# Altium PCB RUMBA_plus.PcbDoc (part 1 of 2) (continued)
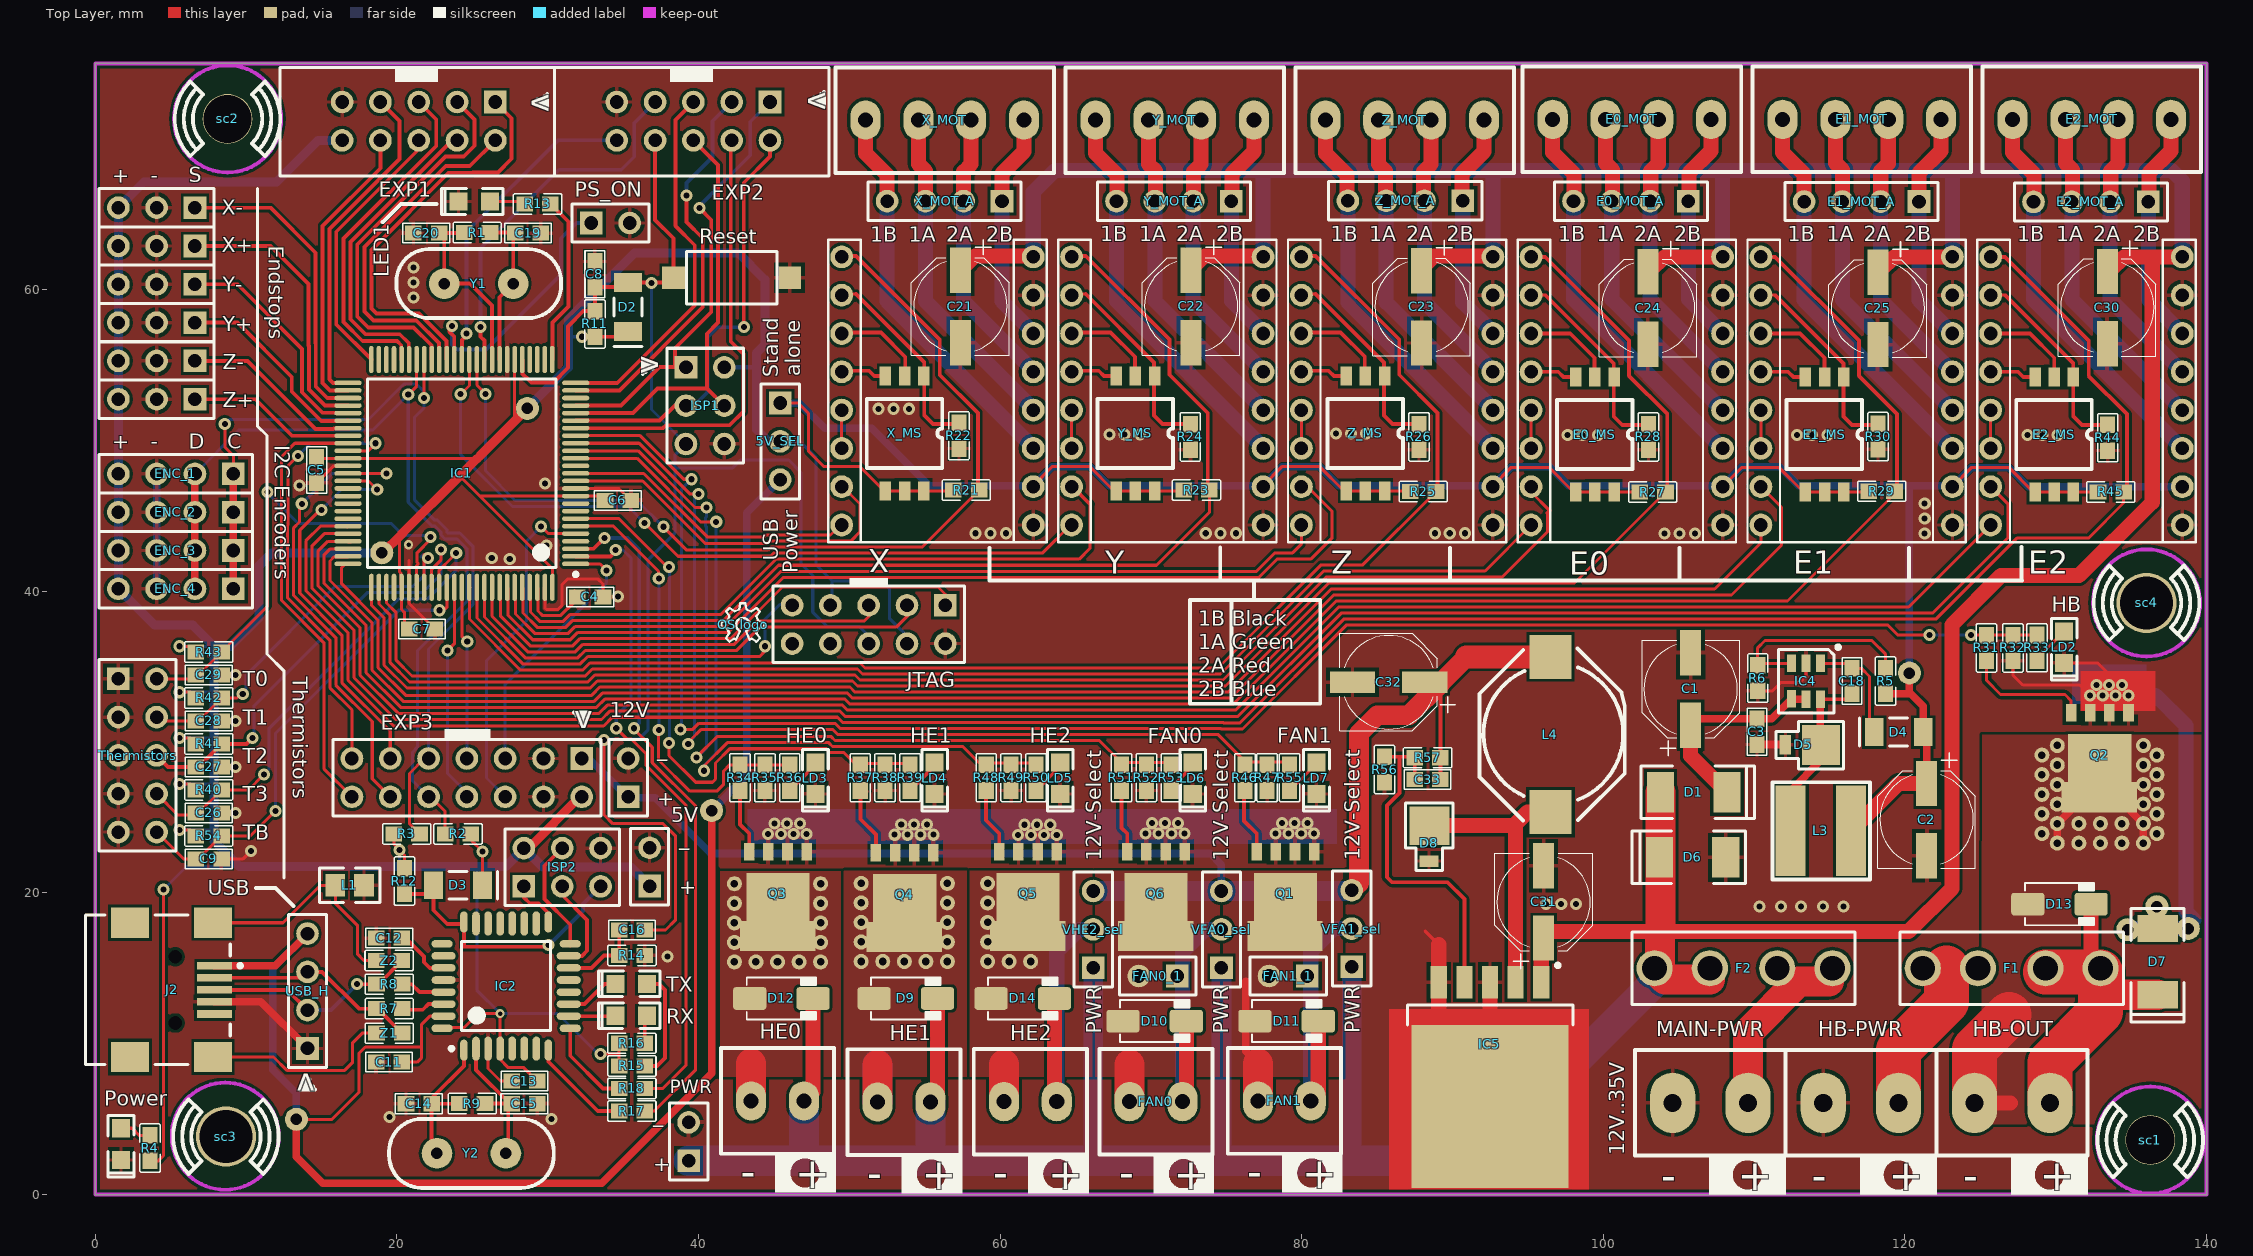
[diagram p0: Top Layer view]
## Footprints (in the part's own frame and the unit in brackets; to place one, negate y for a bottom-side part, rotate by r counter-clockwise, add the part's x,y. Pads: shape width x height; smd on the part's side, far side on the other; paste and mask are expansions set on the pad) (continued)
INDUCTOR_MSS6122D [mm]
  rect 6x2 smd: 1(0,0) 2(0,4)
  silkscreen extent -3.22,-1.2 3.22,5.25
"LED 0805" [mm]
  rect 1.2x1.2 smd: 1(0,0) 2(2.1,0)
  silkscreen extent -0.86,-0.85 3.22,0.85, body extent 0.18,-0.4 1.88,0.4, height 0.65
LFPACK [mm]
  rect 0.7x1.15 smd: 1(3.81,0) 3(0,0) 3(1.27,0) 3(2.54,0)
  rect 4.2x3.2 smd: 2(1.905,3)
  rect 5x2 smd: 2(1.93,5.588)
  body extent -0.58,-0.33 4.42,6.14, height 1.1
MBRM140 [mm]
  rect 0.762x1.27 smd: 1(2.351,-0.025)
  rect 2.54x2.67 smd: 2(0,0)
  silkscreen extent -1.5,-1.58 2.98,1.58
"OS LOGO TOP" [mm]
  silkscreen extent -1.45,-1.17 1.37,1.37
"RES 1608-0603" [mm]
  rect 1.1x1 smd: 1(-0.85,0) 2(0.85,0)
  silkscreen extent -1.6,-0.68 1.6,0.67, body extent -0.77,-0.38 0.82,0.43, height 0.4
"RES 2012-0805" [mm]
  rect 1.3x1.5 smd: 1(-0.95,0) 2(0.95,0)
  silkscreen extent -2,-1.15 2,1.15, body extent -1,-0.63 1,0.63, height 1.5
SOT23-6N [mm] "SOT23, 6-Leads, Body 3.0x3.0mm (max), Pitch 0.95mm, IPC Medium Density"
  rect 1.15x0.6 smd: 1(-1.175,0.95) 2(-1.175,0) 3(-1.175,-0.95) 4(1.175,-0.95) 5(1.2,0) 6(1.2,0.95)
  silkscreen extent -2.37,-1.82 2.1,2.25, body extent -0.85,-1.5 0.85,1.5, height 1.45
"SRAF 3MM - RUPA 3.2" [mm]
  round 3.3 hole 3.2: 0(0,0)
  silkscreen extent -3.5,-3.5 3.5,3.5
"Sraf 3mm - rupa 3.5" [mm]
  round 4 hole 3.5: 0(0,0)
  silkscreen extent -3.5,-3.5 3.5,3.5
"SRAF 3MM - RUPA 3.5" [mm]
  round 4 hole 3.5: 0(0,0)
  silkscreen extent -3.5,-3.5 3.5,3.5
"SW-PB SMD 2PIN" [mm]
  rect 1.5x1.5 smd: 1(-3.85,0) 2(3.85,0)
  silkscreen extent -3,-1.75 3,1.75
"TERM2 3.5MM" [mm]
  oval 2x2.6 hole 1: 1(0,0) 2(3.5,0)
  silkscreen extent -2,-3.5 5.5,3.5, body extent -1.85,-3.8 5.26,3.49, height 8.51
"TERM2 5MM" [mm]
  oval 3x4 hole 1.2: 1(0,0) 2(5,0)
  silkscreen extent -2.5,-3.5 7.5,3.5, body extent -2.54,-4.9 7.47,5, height 14.6
"TERM4 3.5MM" [mm]
  oval 2x2.6 hole 1: 1(0,0) 2(3.5,0) 3(7,0) 4(10.5,0)
  silkscreen extent -2,-3.5 12.5,3.5, body extent -1.73,-3.81 12.24,3.48, height 8.51
TO-263 [mm] "D2-PAK, 6-Pads, Body 10.4x8.9mm (max), IPC Medium Density"
  rect 2.16x1.07 smd: 1(-5.582,3.4) 2(-5.582,1.7) 3(-5.582,0) 4(-5.582,-1.7) 5(-5.582,-3.4)
  rect 10.8x10.41 smd: 6(2.65,0)
  silkscreen extent -6.82,-5.47 -2.75,5.52, body extent -2.87,-5.33 8.18,5.31, height 4.65
TQFP32N [mm] "TQFP, 32-Leads, Body 9.0x9.0mm (max), Pitch 0.80mm, IPC Medium Density"
  oval 1.4x0.5 smd: 1(-4.25,2.8) 8(-4.25,-2.8) 17(4.25,-2.8) 24(4.25,2.8)
  oval 1.6x0.5 smd: 2(-4.15,2) 3(-4.15,1.2) 4(-4.15,0.4) 5(-4.15,-0.4) 6(-4.15,-1.2) 7(-4.15,-2) 18(4.15,-2) 19(4.15,-1.2) 20(4.15,-0.4) 21(4.15,0.4) 22(4.15,1.2) 23(4.15,2)
  oval 0.5x1.4 smd: 9(-2.8,-4.25) 16(2.8,-4.25) 25(2.8,4.25) 32(-2.8,4.25)
  oval 0.5x1.6 smd: 10(-2,-4.15) 11(-1.2,-4.15) 12(-0.4,-4.15) 13(0.4,-4.15) 14(1.2,-4.15) 15(2,-4.15) 26(2,4.15) 27(1.2,4.15) 28(0.4,4.15) 29(-0.4,4.15) 30(-1.2,4.15) 31(-2,4.15)
  silkscreen extent -4.27,-2.95 2.95,3.75, body extent -3.5,-3.5 3.5,3.5, height 1.2
TQFP100N [mm] "TQFP, 100-Leads, Body 16.3x16.3mm (max), Pitch 0.50mm, IPC Medium Density"
  oval 1.8x0.3 smd: 1(-7.55,6) 2(-7.55,5.5) 3(-7.55,5) 4(-7.55,4.5) 5(-7.55,4) 6(-7.55,3.5) 7(-7.55,3) 8(-7.55,2.5) 9(-7.55,2) 10(-7.55,1.5) 11(-7.55,1) 12(-7.55,0.5) 13(-7.55,0) 14(-7.55,-0.5) 15(-7.55,-1) 16(-7.55,-1.5) 17(-7.55,-2) 18(-7.55,-2.5) 19(-7.55,-3) 20(-7.55,-3.5) 21(-7.55,-4) 22(-7.55,-4.5) 23(-7.55,-5) 24(-7.55,-5.5) 25(-7.55,-6) 51(7.55,-6) 52(7.55,-5.5) 53(7.55,-5) 54(7.55,-4.5) 55(7.55,-4) 56(7.55,-3.5) 57(7.55,-3) 58(7.55,-2.5) 59(7.55,-2) 60(7.55,-1.5) 61(7.55,-1) 62(7.55,-0.5) 63(7.55,0) 64(7.55,0.5) 65(7.55,1) 66(7.55,1.5) 67(7.55,2) 68(7.55,2.5) 69(7.55,3) 70(7.55,3.5) 71(7.55,4) 72(7.55,4.5) 73(7.55,5) 74(7.55,5.5) 75(7.55,6)
  oval 0.3x1.8 smd: 26(-6,-7.55) 27(-5.5,-7.55) 28(-5,-7.55) 29(-4.5,-7.55) 30(-4,-7.55) 31(-3.5,-7.55) 32(-3,-7.55) 33(-2.5,-7.55) 34(-2,-7.55) 35(-1.5,-7.55) 36(-1,-7.55) 37(-0.5,-7.55) 38(0,-7.55) 39(0.5,-7.55) 40(1,-7.55) 41(1.5,-7.55) 42(2,-7.55) 43(2.5,-7.55) 44(3,-7.55) 45(3.5,-7.55) 46(4,-7.55) 47(4.5,-7.55) 48(5,-7.55) 49(5.5,-7.55) 50(6,-7.55) 76(6,7.55) 77(5.5,7.55) 78(5,7.55) 79(4.5,7.55) 80(4,7.55) 81(3.5,7.55) 82(3,7.55) 83(2.5,7.55) 84(2,7.55) 85(1.5,7.55) 86(1,7.55) 87(0.5,7.55) 88(0,7.55) 89(-0.5,7.55) 90(-1,7.55) 91(-1.5,7.55) 92(-2,7.55) 93(-2.5,7.55) 94(-3,7.55) 95(-3.5,7.55) 96(-4,7.55) 97(-4.5,7.55) 98(-5,7.55) 99(-5.5,7.55) 100(-6,7.55)
  silkscreen extent -7.68,-6.25 6.25,6.82, body extent -7,-7 7,7, height 1.2
USB_MINI/SM0.8-6H5 [mm] "Connector; USB2.0, Type B, SM; 5 Position; Right Angle"
  rect 2.5x2 smd: 0(-7.75,-4.45) 0(-7.75,4.45) 0(-2.25,4.45) 0(-2.25,-4.45)
  rect 2.3x0.5 smd: 1(-7.85,-1.6) 2(-7.85,-0.8) 3(-7.85,0) 4(-7.85,0.8) 5(-7.85,1.6)
  round 0.6 hole 0.9 unplated: MH1(-5.25,2.2) MH2(-5.25,-2.2)
  silkscreen extent -9.68,-4.95 0.7,4.95, body extent -8.74,-4.95 0.66,4.95, height 3.9
X-TAL [mil]
  round 80 hole 30: 1(180,0) 2(0,0)
  silkscreen extent -125,-90 305,90

## Part data
5V 12V FAN0_1 FAN1_1 PS_ON PWR: "Header, 2-Pin"
5V_SEL VFA0_sel VFA1_sel VHE2_sel X+ X- Y+ Y- Z+ Z-: "Header, 3-Pin"
C1 C2 C21 C22 C23 C24 C25 C30 C31 C32: "Polarized Capacitor (Surface Mount)"
C3 C4 C5 C6 C7 C8 C11 C13 C14 C15 C16 C18 C19 C20 C33: "Capacitor (Semiconductor SIM Model)"
C9 C12 C26 C27 C28 C29: library part CAPC_1u_0603_X7R_16V_10%, "Capacitor SMD Cer 1uF 10% 16V X7R 0603"
D1 D6 D7: library part Diode, "Default Diode"
D2 D3 D4: library part Diode100V150mA, "Default Diode"
D5 D8: "Default Diode"
D9 D10 D11 D12 D13 D14: library part DIODE_100V_1.5A_SMA, "Diode SMD 100V 1.5A SMA"
E0_MOT E1_MOT E2_MOT X_MOT Y_MOT Z_MOT: "Screw Terminal 3.5mm 4-Way"
E0_MOT_A E1_MOT_A E2_MOT_A X_MOT_A Y_MOT_A Z_MOT_A: library part "Header 4_1", "Header, 4-Pin"
E0_MS E1_MS E2_MS X_MS Y_MS Z_MS: "DIP Switch"
ENC_1 ENC_2 ENC_3 ENC_4 USB_H: "Header, 4-Pin"
EXP1 EXP2 JTAG Thermistors: "Header, 5-Pin, Dual row"
EXP3: "Header, 7-Pin, Dual row"
FAN0 FAN1 HE0 HE1 HE2: library part ScrewTerminal-3.5mm-2Way
HB-OUT HB-PWR MAIN-PWR: library part ScrewTerminal-5mm-2Way
IC1: "The high-performance, low-power Atmel 8-bit AVR RISC-based microcontroller"
IC2: library part ATMEGA16U2-MU, "High Performance, Low Power USB2.0 AVR® 8-Bit Microcontroller"
IC4: "600mA, 500kHz Step-Down  Switching Regulator in  SOT-23"
IC5: "3.0 A, Step-Down Switching  Regulator"
ISP1 ISP2: "Header, 3-Pin, Dual row"
L1 L3 L4: "MagneticCore Inductor with Winding Polarity Marking"
LD2 LD3 LD4 LD5 LD6 LD7 Power: library part "LEDG  0805", "Hyper-Bright Low Current LED OSRAM"
LED1 RX TX: library part "LEDY  0805", "Hyper-Bright Low Current LED OSRAM"
Q1 Q2 Q3 Q4 Q5 Q6: library part PSMN7R0-60YS
R1 R2 R3 R4 R5 R6 R7 R8 R9 R11 R12 R13 R14 R15 R16 R17 R18 R21 R22 R23 R24 R25 R26 R27 R28 R29 R30 R31 R32 R33 R34 R35 R36 R37 R38 R39 R40 R41 R42 R43 R44 R45 R46 R47 R48 R49 R50 R51 R52 R53 R54 R55 R56 R57: "Resistor"
Reset: library part SW-PB
Y1 Y2: library part XTAL, "Crystal Oscillator"
Z1 Z2: "VARISTOR_CN0603 (VARISTOR)"

## Free pads (board coordinates)
  round 1.524 hole 0.762: 0(13.339,4.986) 1(40.872,25.458) 2(28.655,52.128) 3(19.003,42.553) 5(138.789,17.635) 6(134.776,17.559) 8(136.707,19.083) 9(120.298,34.577)
  round 1 hole 0.5: 2(42.384,15.425) 2(42.384,16.721) 2(42.384,18.016) 2(42.384,19.312) 2(42.384,20.607) 2(43.812,15.425) 2(45.241,15.425) 2(46.67,15.425) 2(48.099,15.425) 2(48.099,16.721) 2(48.099,18.016) 2(48.099,19.312) 2(48.099,20.607) 2(50.791,15.451) 2(50.791,16.746) 2(50.791,18.042) 2(50.791,19.337) 2(50.791,20.632) 2(52.22,15.451) 2(53.649,15.451) 2(55.077,15.451) 2(56.506,15.451) 2(56.506,16.746) 2(56.506,18.042) 2(56.506,19.337) 2(56.506,20.632) 2(59.173,15.451) 2(59.173,16.746) 2(59.173,18.042) 2(59.173,19.337) 2(59.173,20.632) 2(60.602,15.451) 2(62.031,15.451) 2(129.087,23.934) 2(129.087,25.236) 2(129.087,26.538) 2(129.087,27.84) 2(129.087,29.141) 2(130.103,23.299) 2(130.103,24.595) 2(130.103,25.89) 2(130.103,27.186) 2(130.103,28.481) 2(130.103,29.776) 2(131.531,23.299) 2(131.531,24.595) 2(132.96,23.299) 2(132.96,24.595) 2(134.389,23.299) 2(134.389,24.595) 2(135.818,23.299) 2(135.818,24.595) 2(135.818,25.89) 2(135.818,27.186) 2(135.818,28.481) 2(135.818,29.776) 2(136.707,23.934) 2(136.707,25.236) 2(136.707,26.538) 2(136.707,27.84) 2(136.707,29.141)

## Via types
v1: diameter 0.8, hole 0.4, Top Layer to Bottom Layer, tented both sides, 166 vias
v2: diameter 0.6, hole 0.3, Top Layer to Bottom Layer, 2 vias

## Nets (pads, with @x,y where several pads share a name; then routed paths per layer and width w, separated by ;. In a path a pad name is that pad's centre, name@x,y a point inside that pad or via, vN(x,y) a via of type N, cw(c..) or ccw(c..) an arc to the next point about the centre after c; other vN are vias at no path point)
5V_DCDC: 5V_SEL.1 C2.1 D4.1 E0.10 E0_MS.4 E0_MS.5 E0_MS.6 E1.10 E1_MS.4 E1_MS.5 E1_MS.6 E2.10 E2_MS.4 E2_MS.5 E2_MS.6 L3.2 pad.9 R5.2 R21.1 R23.1 R25.1 R27.1 R29.1 R45.1 X.10 X_MS.4 X_MS.5 X_MS.6 Y.10 Y_MS.4 Y_MS.5 Y_MS.6 Z.10 Z_MS.4 Z_MS.5 Z_MS.6 | length 199.5
  Top Layer w0.2: 5V_SEL.1@45.419,52.484 46.613,52.484 47.299,51.798 47.299,49.284 48.297,48.285 50.685,48.285 52.318,46.652 R21.1@56.832,46.652 ; X.10@62.199,47.005 63.48,48.285 65.925,48.285 67.558,46.652 R23.1@72.072,46.652 ; Y.10@77.439,47.005 78.72,48.285 81.165,48.285 82.798,46.652 R25.1@87.312,46.652 ; Z.10@92.679,47.005 93.891,48.217 96.397,48.217 98.03,46.584 R27.1@102.544,46.584 ; E0.10@107.911,46.936 109.191,48.217 111.637,48.217 113.27,46.584 R29.1@117.784,46.584 ; E1.10@123.151,46.936 124.431,48.217 126.877,48.217 128.51,46.584 E2_MS.5@129.898,46.584 R45.1@133.024,46.584
  Top Layer w0.5: R5.2@118.723,33.194 120.298,33.194 ; pad.9@120.298,34.577 120.298,33.194 ; D4.1@120.933,30.665 121.441,30.157 C2.1@121.441,27.261 ; D4.1@121.212,30.665 121.212,32.368 120.386,33.194 120.298,33.194
  Top Layer w1: L3.2@116.424,24.112 119.573,27.261 C2.1@121.441,27.261
  Bottom Layer w0.5: 5V_SEL.1@45.419,52.484 46.689,52.484 48.365,50.808 51.49,50.808 55.293,47.005 62.199,47.005 63.462,48.268 65.968,48.268 67.231,47.005 77.439,47.005 78.702,48.268 81.208,48.268 82.471,47.005 92.679,47.005 93.942,48.268 96.448,48.268 97.711,47.005 107.919,47.005 109.182,48.268 111.688,48.268 112.951,47.005 120.425,47.005 ; pad.9@120.298,34.577 120.298,46.878 120.425,47.005 ; E1.10@123.151,46.936 124.414,48.199 126.919,48.199 128.182,46.936 E2.10@138.391,46.936 ; E1.10@123.159,47.005 120.425,47.005
+5V: 5V.1 5V_SEL.2 C5.2 C6.2 C7.2 C13.2 D2.2 D3.2 ENC_1.4 ENC_2.4 ENC_3.4 ENC_4.4 EXP1.10 EXP3.2 IC1.10 IC1.31 IC1.61 IC1.80 IC1.100 IC2.4 IC2.32 ISP1.2 ISP2.2 JTAG.4 JTAG.7 pad.2@28.655,52.128 pad.3 R2.2 R3.2 R4.2 R11.2 R12.2 R15.1 R16.1 R40.1 R41.1 R42.1 R43.1 R54.1 X+.3 X-.3 Y+.3 Y-.3 Z+.3 Z-.3 | length 311.7
  Top Layer w0.2: R4.2@3.636,2.231 4.183,2.231 4.525,2.573 v1(4.525,20.226) ; v1(5.589,24.163) 6.295,24.163 R54.1@6.676,23.782 ; v1(5.589,27.211) 6.295,27.211 R40.1@6.676,26.83 ; v1(5.589,30.259) 6.295,30.259 R41.1@6.676,29.878 ; v1(5.589,33.307) 6.295,33.307 R42.1@6.676,32.926 ; v1(5.589,36.355) 6.295,36.355 R43.1@6.676,35.974 ; C5.2@14.71,48.762 14.765,48.817 IC1.61@16.76,48.817 25.344,48.817 ; R3.2@19.804,23.909 19.804,23.21 v1(20.172,22.842) 20.502,22.512 R12.2@20.502,21.635 ; IC1.80@20.31,39.962 20.31,38.788 20.52,38.578 20.52,37.798 C7.2@20.82,37.498 ; IC1.80@20.31,40.267 20.26,40.317 20.26,41.203 20.181,41.282 20.181,43.335 20.31,43.464 20.31,43.783 ; IC2.32@22.998,10.897 23.184,11.082 24.464,11.082 25.382,12 v2(26.848,12) IC2.4@26.848,9.674 26.848,8.952 27.385,8.415 28.417,8.415 C13.2@29.306,7.526 ; 24.172,47.645 25.5,46.317 ; R2.2@24.908,23.909 24.908,23.516 v1(25.683,22.741) D3.2@25.683,20.505 ; IC1.31@27.81,55.367 27.81,51.5 27.918,51.392 ; IC1.100@30.31,40.267 30.31,41.507 25.5,46.317 ; v1@32.186,56.879 R11.2@33.132,56.879 34.986,56.879 D2.2@35.324,57.217 ; v1(33.506,9.304) 34.657,9.304 34.734,9.228 ; C6.2@33.799,46.032 33.515,46.317 IC1.10@31.86,46.317 25.5,46.317 ; R15.1@34.734,8.531 34.734,9.228 ; R16.1@34.734,10.031 34.734,9.228
  Top Layer w0.6: pad.3@18.978,42.476 pad.3@19.003,42.476 ; pad.3@19.041,42.515 20.31,43.783 ; 20.4,43.873 24.172,47.645 25.344,48.817 ; 25.498,48.972 27.918,51.392 pad.2@28.655,52.128 ; ISP2.2@28.426,22.969 28.731,22.969 EXP3.2@32.198,26.436 ; 5V.1@36.758,20.455 5V.1@36.758,20.495
  Bottom Layer w0.2: v1(4.525,20.226) 6.049,21.75 9.558,21.75 ; v1(5.589,24.163) 7.862,24.163 ; v1(5.589,27.211) 7.862,27.211 ; v1(5.589,30.259) 7.862,30.259 ; v1(5.589,33.307) 7.735,33.307 ; v1(5.589,36.355) 7.862,36.355 ; 20.172,21.75 v1(20.172,22.842) ; 25.353,21.75 25.302,21.699 25.302,13.546 v2(26.848,12) 30.658,12 33.43,9.228 v1(33.506,9.304) ; 25.658,21.75 25.683,21.775 v1(25.683,22.741) ; 31.424,56.879 v1(32.287,56.879) ; 43.743,54.846 43.844,54.948 ; 5V_SEL.2@45.419,49.944 46.714,49.944 47.807,48.852 47.807,41.74 48.848,40.698 ; JTAG.7@49.254,39.073 48.848,39.479 48.848,40.698 ; JTAG.4@54.334,36.533 52.658,38.209 52.658,40.19 52.15,40.698 48.848,40.698
  Bottom Layer w0.3: ISP1.2@41.711,54.846 43.743,54.846
  Bottom Layer w0.6: EXP1.10@16.371,69.904 14.782,69.904 12.004,67.126 3.22,67.126 X-.3@1.532,65.438 X+.3@1.532,62.898 Y-.3@1.532,60.358 Y+.3@1.532,57.818 Z-.3@1.532,55.278 Z+.3@1.532,52.738 1.532,40.165 3.945,37.752 6.465,37.752 7.862,36.355 ; pad.3@19.003,42.553 11.705,42.553 10.862,41.71 10.862,38.26 8.957,36.355 7.862,36.355 ; pad.2@28.655,52.128 31.373,54.846 31.373,58.047 35.767,62.441 42.625,62.441 44.403,60.663 44.403,56.345 43.844,55.786 43.844,54.948 43.844,50.731 44.632,49.944 5V_SEL.2@45.419,49.944 ; 5V.1@36.758,20.455 35.493,21.719 29.676,21.719 ISP2.2@28.426,22.969 27.207,21.75 25.658,21.75 25.353,21.75 20.171,21.75 9.558,21.75 7.862,23.446 7.862,24.163 7.862,27.211 7.862,30.259 7.862,36.355
+12V: 12V.1 C32.1 C33.1 EXP3.1 L4.2 R57.2 VFA0_sel.3 VFA1_sel.3 VHE2_sel.3 | length 95.9
  Top Layer w0.254: C33.1@89.196,27.516 R57.2@89.196,28.964 C32.1@89.196,33.853
  Top Layer w1.3: VFA1_sel.3@83.316,20.175 83.798,20.658 83.798,30.564 85.018,31.783 87.126,31.783 C32.1@89.196,33.853 ; C32.1@89.196,33.929 90.913,35.647
  Top Layer w1.5: 90.913,35.647 L4.2@96.498,35.647
  Bottom Layer w0.5: EXP3.1@32.262,28.913 32.719,28.913 35.335,26.297 37.139,26.297 40.822,22.614 73.943,22.614 74.68,21.877 VFA0_sel.3@74.68,20.124
  Bottom Layer w1.3: VHE2_sel.3@66.171,20.124 VFA0_sel.3@74.68,20.124 VFA1_sel.3@83.265,20.124
A9: EXP3.7 IC1.88 | length 12.2
  Top Layer w0.2: 24.31,37.5 24.31,38.006 ; IC1.88@24.31,40.267 24.31,38.006 ; v1@24.667,36.736 v1(24.667,36.66) 24.31,37.017 24.31,38.006
  Bottom Layer w0.2: EXP3.7@24.642,28.913 24.642,36.711 24.667,36.736 v1(24.667,36.66)
A10: EXP3.8 IC1.87 | length 14.6
  Top Layer w0.2: v1(23.372,36.076) 23.81,36.514 IC1.87@23.81,40.267
  Bottom Layer w0.2: v1(23.372,36.076) 23.372,27.922 24.642,26.652 EXP3.8@24.642,26.373
AREF: C4.2 IC1.98 | length 5.3
  Top Layer w0.2: IC1.98@29.31,40.267 29.36,40.217 29.36,38.698 29.671,38.387 30.843,38.387 31.304,38.848 31.326,38.848 31.793,39.315 C4.2@31.793,40.038
BEEPER: EXP1.1 IC1.40 | length 27
  Top Layer w0.254: IC1.40@23.31,55.367 23.287,55.39 23.287,56.599 21.476,58.41 18.647,58.41 18.314,58.743 18.314,62.641 23.426,67.753 25.021,67.753 25.044,67.775 26.699,67.775 27.608,68.683 27.608,71.367 EXP1.1@26.531,72.444
BTN_EN1: EXP2.5 IC1.25 | length 24.5
  Top Layer w0.254: IC1.25@31.86,53.817 34.611,53.817 39.755,58.961 39.755,62.949 38.469,64.235 38.469,71.25 EXP2.5@39.663,72.444
BTN_EN2: EXP2.3 IC1.24 | length 26
  Top Layer w0.254: IC1.24@31.86,53.317 34.753,53.317 40.288,58.852 40.288,63.406 39.196,64.498 v1(39.196,66.251)
  Bottom Layer w0.254: v1(39.196,66.251) 39.196,67.064 40.923,68.791 40.923,71.165 EXP2.3@42.203,72.444
BTN_ENC: EXP1.2 IC1.41 | length 22.8
  Top Layer w0.254: IC1.41@22.81,55.367 22.787,55.39 22.787,56.457 21.288,57.956 18.459,57.956 17.86,58.555 17.86,62.829 23.238,68.207 24.833,68.207 EXP1.2@26.531,69.904
DTR: C16.2 IC2.14 R14.1 | length 5.4
  Top Layer w0.254: IC2.14@31.398,15.024 32.901,15.024 33.735,15.857 R14.1@34.739,15.857 34.75,15.868 C16.2@34.75,17.546
E0-DIR: E0.8 IC1.78 | length 85.2
  Top Layer w0.2: IC1.78@19.31,40.216 19.31,39.223 19.954,38.579 19.954,35.43 20.997,34.387 32.5,34.387 32.961,34.848 50.545,34.848 50.88,34.513 74.623,34.513 81.462,41.352 92.167,41.352 E0.8@95.211,44.396
E0-EN: E0.1 IC1.76 R27.2 | length 116.7
  Top Layer w0.2: IC1.76@18.31,40.216 18.31,39.091 19.154,38.247 19.154,35.099 20.666,33.587 32.831,33.587 33.292,34.048 50.213,34.048 50.548,33.713 74.954,33.713 81.793,40.552 98.094,40.552 R27.2@104.122,46.581
  Top Layer w0.254: E0.1@95.211,62.176 96.153,62.176 101.705,56.624 101.705,54.287 104.245,51.747 104.245,46.809 R27.2@104.022,46.585
E0-STEP: E0.7 IC1.77 | length 90.5
  Top Layer w0.2: IC1.77@18.81,40.216 18.812,40.214 18.812,39.155 19.554,38.413 19.554,35.264 20.831,33.987 32.666,33.987 33.127,34.448 50.379,34.448 50.714,34.113 74.788,34.113 81.627,40.952 93.296,40.952 96.293,43.948 96.293,45.192 ; E0.7@95.211,46.583 96.448,45.347
  Top Layer w0.254: E0.7@95.211,46.583 E0.7@95.211,46.936 ; 96.293,45.192 96.448,45.347
E1-DIR: E1.8 IC1.75 | length 106.3
  Top Layer w0.2: IC1.75@16.76,41.817 16.578,41.817 16.342,41.581 16.342,40.493 18.754,38.081 18.754,34.933 20.583,33.104 32.914,33.104 33.458,33.648 50.048,33.648 50.383,33.313 75.12,33.313 81.959,40.152 107.382,40.152 110.451,43.221 E1.8@110.451,44.396
E1-EN: E1.1 IC1.73 R29.2 | length 139.3
  Top Layer w0.2: IC1.73@16.76,42.817 15.584,42.817 15.16,42.393 15.16,40.544 17.954,37.75 17.954,34.602 20.252,32.304 33.245,32.304 33.789,32.848 49.716,32.848 50.051,32.513 75.451,32.513 82.29,39.352 112.219,39.352 R29.2@119.312,46.445
  Top Layer w0.254: E1.1@110.451,62.176 111.393,62.176 116.945,56.624 116.945,54.287 119.485,51.747 119.485,46.809 R29.2@119.262,46.585 ; R29.2@119.312,46.445 R29.2@119.312,46.631
E1-STEP: E1.7 IC1.74 | length 113.1
  Top Layer w0.2: IC1.74@16.76,42.317 16.76,42.267 15.824,42.267 15.56,42.003 15.56,40.71 18.354,37.916 18.354,34.767 20.417,32.704 33.08,32.704 33.624,33.248 49.882,33.248 50.217,32.913 75.285,32.913 82.124,39.752 108.506,39.752 111.815,43.061 111.815,45.572 E1.7@110.451,46.936
E2-DIR: E2.8 IC1.72 | length 127.6
  Top Layer w0.2: IC1.72@16.76,43.267 IC1.72@16.946,43.267 ; IC1.72@16.76,43.317 15.424,43.317 14.76,42.653 14.76,40.378 17.554,37.584 17.554,34.436 20.086,31.904 33.411,31.904 33.955,32.448 49.551,32.448 49.886,32.113 75.617,32.113 82.456,38.952 120.247,38.952 123.089,41.794 ; 122.298,41.003 123.089,41.794 ; E2.8@125.691,44.396 123.089,41.794
E2-EN: E2.1 IC1.70 R45.2 | length 159.8
  Top Layer w0.2: IC1.70@16.71,44.267 IC1.70@16.76,44.317 14.93,44.317 13.96,43.347 13.96,40.047 16.754,37.253 16.754,34.105 19.787,31.072 33.71,31.072 34.286,31.648 49.219,31.648 49.554,31.313 74.769,31.313 74.807,31.275 75.91,31.275 82.787,38.152 122.044,38.152 127.417,43.524 132.167,43.524 134.502,45.86 R45.2@134.502,46.585
  Top Layer w0.254: E2.1@125.691,62.176 126.633,62.176 132.185,56.624 132.185,54.287 134.725,51.747 134.725,46.809 R45.2@134.502,46.585
E2-STEP: E2.7 IC1.71 | length 132.6
  Top Layer w0.2: IC1.71@16.76,43.817 15.187,43.817 14.36,42.99 14.36,40.213 17.154,37.419 17.154,34.27 19.92,31.504 33.577,31.504 34.121,32.048 49.385,32.048 49.72,31.713 75.782,31.713 82.621,38.552 121.835,38.552 126.851,43.569 126.851,45.776 E2.7@125.691,46.936
FAN_0: IC1.17 R46.1 R47.1 R55.2 | length 67.7
  Top Layer w0.2: IC1.17@31.86,49.817 36.065,49.817 39.418,46.464 v1(40.009,46.464) ; v1(39.323,29.878) 39.425,29.878 39.475,29.929 39.475,30.132 40.191,30.848 48.888,30.848 49.223,30.513 74.438,30.513 76.255,28.696 R55.2@79.201,28.696
  Bottom Layer w0.2: v1(39.323,29.878) 39.323,29.954 39.729,30.361 39.729,46.185 v1(40.009,46.464)
FAN_1: IC1.16 R51.1 R52.1 R53.2 | length 60.2
  Top Layer w0.2: IC1.16@31.86,49.317 35.999,49.317 39.766,45.55 v1(40.542,45.55) ; v1(39.856,28.989) 41.226,30.359 48.811,30.359 49.057,30.113 66.583,30.113 68.05,28.645 R53.2@71.352,28.645
  Bottom Layer w0.2: v1(39.856,28.989) 39.907,28.989 40.542,29.624 40.542,44.255 40.477,44.32 40.477,44.9 40.542,44.965 40.542,45.194 40.364,45.372 v1(40.542,45.55) v1@40.466,45.55
GND: 5V.2 12V.2 C1.2 C2.2 C3.1 C4.1 C5.1 C6.1 C7.1 C8.1 C9.2 C11.1 C12.2 C13.1 C14.1 C15.1 C19.1 C20.1 C21.2 C22.2 C23.2 C24.2 C25.2 C26.2 C27.2 C28.2 C29.2 C30.2 C31.2 C32.2 D5.1 D6.1 D7.1 D8.1 E0.9 E0.15 E1.9 E1.15 E2.9 E2.15 ENC_1.3 ENC_2.3 ENC_3.3 ENC_4.3 EXP1.9 EXP2.9 EXP3.3 EXP3.4 HB-PWR.1 IC1.11 IC1.32 IC1.62 IC1.81 IC1.99 IC2.3 IC2.28 IC4.2 IC5.3 IC5.5 IC5.6 ISP1.6 ISP2.6 J2.4 JTAG.2 JTAG.10 L1.2 LD2.2 LD3.2 LD4.2 LD5.2 LD6.2 LD7.2 LED1.2 MAIN-PWR.1 pad.5 pad.6 pad.8 Power.2 PS_ON.2 PWR.2 Q1.3 Q2.3 Q3.3 Q4.3 Q5.3 Q6.3 R6.1 R14.2 R22.2 R24.2 R26.2 R28.2 R30.2 R32.2 R35.2 R38.2 R44.2 R47.2 R49.2 R52.2 R56.2 Reset.1 Thermistors.1 Thermistors.3 Thermistors.5 Thermistors.7 Thermistors.9 USB_H.1 X+.2 X-.2 X.9 X.15 Y+.2 Y-.2 Y.9 Y.15 Z+.2 Z-.2 Z.9 Z.15 | length 102.5
  Top Layer w0.2: C9.2@8.122,22.258 9.812,22.258 v1(10.32,22.766) ; C26.2@8.122,25.306 v1(9.304,25.306) ; C27.2@8.122,28.354 v1(9.304,28.354) ; C28.2@8.122,31.402 v1(9.304,31.402) ; C29.2@8.122,34.45 v1(9.304,34.45) ; C5.1@14.685,47.189 15.813,48.317 IC1.62@16.76,48.317 ; 20.81,42.041 IC1.81@20.81,40.267 20.81,39.208 C7.1@22.52,37.498 ; IC2.3@26.048,10.26 IC2.3@26.048,9.674 26.048,8.355 26.877,7.526 C13.1@27.606,7.526 ; IC1.99@29.81,40.267 29.81,38.902 29.925,38.787 30.677,38.787 30.941,39.051 30.941,40.419 31.322,40.8 33.354,40.8 33.671,40.483 C4.1@33.671,39.632 ; IC1.11@31.86,46.817 31.86,46.832 34.699,46.832 C6.1@35.499,46.032 ; v1(62.048,23.833) v1(62.903,23.833) ; 88.193,17.463 89.086,16.57 ; R6.1@110.24,33.397 111.219,33.397 111.789,33.967 113.034,33.967 113.44,34.374 IC4.2@113.44,35.219 ; D5.1@112.066,29.841 D5.1@112.08,29.827 ; R32.2@127.156,35.392 127.156,34.45 127.817,33.79 131.576,33.79 v1(132.262,33.104) ; LD2.2@130.56,35.246 132.787,35.246 133.532,34.501 v1(133.532,33.79)
  Top Layer w0.5: J2.4@7.902,12.771 10.989,12.771 USB_H.1@14.075,9.685 ; C3.1@110.189,29.841 D5.1@112.066,29.841
  Top Layer w1: IC5.6@89.086,10.32 89.086,16.57 ; IC5.6@92.486,5.841 IC5.3@92.486,14.074
  Bottom Layer w0.5: ENC_4.3@4.072,40.165 ENC_3.3@4.072,42.705 ENC_2.3@4.072,45.245 ENC_1.3@4.072,47.785
  Bottom Layer w1: pad.6@134.776,17.559 134.852,17.635 136.605,17.635 ; v1(134.827,33.104) 136.63,33.104 138.637,31.097 138.637,18.73 pad.5@139.173,18.194 ; pad.8@136.707,19.083 136.605,18.981 136.605,17.635 ; pad.5@138.789,17.635 136.605,17.635
  other v1: 30.255,5.011 19.511,5.138 37.951,15.781 110.367,19.108 111.789,19.108 113.11,19.108 114.558,19.108 115.929,19.108 96.194,19.261 97.21,19.261 98.2,19.261 61.192,23.833 63.758,23.833 53.014,23.858 53.869,23.858 54.724,23.858 55.579,23.858 44.606,23.909 45.461,23.909 46.316,23.909 47.172,23.909 69.651,23.934 70.506,23.934 71.361,23.934 72.216,23.934 78.261,23.934 79.116,23.934 79.971,23.934 80.827,23.934 61.624,24.519 62.462,24.519 63.326,24.519 53.445,24.544 54.284,24.544 55.147,24.544 45.038,24.595 45.876,24.595 46.74,24.595 70.082,24.62 70.921,24.62 71.784,24.62 78.693,24.62 79.531,24.62 80.395,24.62 133.117,33.104 133.972,33.104 132.693,33.79 134.387,33.79 34.675,39.657 27.487,42.146 26.293,42.197 29.925,43.035 104.068,43.823 105.058,43.823 106.074,43.823 121.314,43.823 58.373,43.848 59.364,43.848 60.38,43.848 73.638,43.848 74.629,43.848 75.645,43.848 88.828,43.848 89.818,43.848 90.834,43.848 121.314,44.813 121.314,45.829 13.542,47.023 29.823,47.15 97.641,50.35 98.632,50.35 99.648,50.35 112.856,50.376 113.847,50.376 114.863,50.376 128.121,50.376 129.112,50.376 130.128,50.376 67.263,50.401 68.254,50.401 69.27,50.401 82.274,50.477 83.265,50.477 84.281,50.477 51.947,52.103 52.937,52.103 53.953,52.103 21.111,59.469 21.111,60.485 21.111,61.476
  other v2: 20.781,43.086
HB: IC1.18 R31.1 R32.1 R33.2 | length 119.4
  Top Layer w0.2: IC1.18@31.86,50.317 36.131,50.317 39.018,47.429 v1(39.526,47.429) ; v1(38.815,30.843) 39.621,30.843 40.026,31.248 49.054,31.248 49.389,30.913 74.603,30.913 74.641,30.875 76.076,30.875 82.953,37.752 118.876,37.752 119.537,37.092 v1(121.619,37.092) ; v1(124.388,37.092) R31.1@125.404,37.092 ; R31.1@125.683,37.092 R31.1@125.404,37.092 ; R33.2@128.756,37.103 128.745,37.092 R32.1@127.156,37.092 R31.1@125.404,37.092
  Bottom Layer w0.2: v1(38.815,30.843) 38.861,30.889 38.861,46.764 v1(39.526,47.429) ; v1(121.619,37.092) v1(124.388,37.092)
HE_0: IC1.6 R34.1 R35.1 R36.2 | length 30.5
  Top Layer w0.2: IC1.6@31.86,44.317 34.358,44.317 37.353,41.322 37.353,40.865 v1(37.367,40.851) ; v1@37.353,30.778 37.353,28.818 39.425,26.747 41.221,26.747 41.672,27.197 41.672,28.086 42.078,28.493 R36.2@46.053,28.493 R36.2@45.709,28.837
  Bottom Layer w0.2: v1(37.367,30.792) v1(37.367,40.851)
HE_1: IC1.7 R37.1 R38.1 R39.2 | length 38.7
  Top Layer w0.2: IC1.7@31.86,44.817 34.726,44.817 37.93,41.613 v1(38.053,41.613) ; v1(38.053,29.929) 38.053,29.102 39.817,27.338 40.923,27.338 41.126,27.541 41.126,28.608 42.077,29.559 48.48,29.559 48.726,29.313 49.642,29.313 50.386,28.569 R39.2@54.029,28.569
  Bottom Layer w0.2: v1@38.067,29.943 v1@38.067,41.613
HE_2: IC1.15 R48.1 R49.1 R50.2 | length 51
  Top Layer w0.2: IC1.15@31.86,48.817 35.934,48.817 40.141,44.61 v1(41.177,44.61) ; v1(40.364,28.1) 40.364,28.412 41.912,29.959 48.646,29.959 48.892,29.713 57.534,29.713 R48.1@58.627,28.62 ; R48.1@59.084,28.62 R50.2@62.386,28.62
  Bottom Layer w0.2: v1(40.364,28.1) 40.364,28.456 41.177,29.268 v1(41.177,44.61)
J_TCK: IC1.93 JTAG.1 | length 35.2
  Top Layer w0.2: IC1.93@26.81,40.267 26.86,40.217 26.86,38.37 28.843,36.387 31.672,36.387 32.133,36.848 32.154,36.848 32.169,36.863 42.145,36.863 45.574,40.292 55.884,40.292 56.874,39.301 JTAG.1@56.874,38.844
J_TDI: IC1.90 JTAG.9 | length 27.7
  Top Layer w0.2: IC1.90@25.31,40.216 25.31,38.223 28.346,35.187 32.169,35.187 32.63,35.648 32.651,35.648 32.666,35.663 44.041,35.663 44.403,36.025 v1(44.403,36.355)
  Bottom Layer w0.2: v1(44.403,36.355) 44.403,37.879 44.276,38.006 45.394,39.124 46.435,39.124 JTAG.9@46.714,38.844
J_TDO: IC1.91 JTAG.3 | length 32.9
  Top Layer w0.2: IC1.91@25.81,40.216 25.81,38.288 28.511,35.587 32.003,35.587 32.464,36.048 32.486,36.048 32.501,36.063 42.511,36.063 44.071,37.623 53.113,37.623 JTAG.3@54.334,38.844
J_TMS: IC1.92 JTAG.5 | length 29.6
  Top Layer w0.2: IC1.92@26.31,40.267 26.31,38.354 28.677,35.987 31.837,35.987 32.298,36.448 32.32,36.448 32.335,36.463 42.345,36.463 43.905,38.023 50.973,38.023 JTAG.5@51.794,38.844
KILL: EXP2.10 IC1.38 | length 21.8
  Top Layer w0.254: IC1.38@24.31,55.367 24.31,56.673 24.845,57.208 24.82,57.234 24.489,57.234 v1(24.616,57.107)
  Bottom Layer w0.254: v1(24.616,57.107) 24.616,63.838 30.683,69.904 EXP2.10@34.583,69.904
LCD_D4: EXP1.5 IC1.46 | length 23
  Top Layer w0.254: IC1.46@20.31,55.367 20.287,55.39 20.287,56.315 20.008,56.594 17.746,56.594 17.735,56.583 16.466,57.852 16.466,63.384 22.61,69.527 22.61,71.285 EXP1.5@21.451,72.444
LCD_D5: EXP1.6 IC1.50 | length 17.8
  Top Layer w0.254: IC1.50@18.31,55.367 IC1.50@18.31,55.367 15.98,57.695 15.98,63.838 21.451,69.308 EXP1.6@21.451,69.904
LCD_D6: EXP1.7 IC1.51 | length 22.2
  Top Layer w0.254: IC1.51@16.76,53.817 15.765,53.817 15.526,54.056 15.526,64.026 20.171,68.671 20.171,71.183 EXP1.7@18.911,72.444
LCD_D7: EXP1.8 IC1.52 | length 19.6
  Top Layer w0.254: IC1.52@16.76,53.317 15.563,53.317 15.072,53.808 15.072,64.214 18.911,68.052 EXP1.8@18.911,69.904
LCD_ENA: EXP1.3 IC1.42 | length 25.3
  Top Layer w0.254: IC1.42@22.31,55.367 22.287,55.39 22.287,56.315 21.1,57.502 18.1,57.502 17.377,58.224 17.377,62.988 23.216,68.827 24.437,68.827 25.15,69.54 25.15,71.285 EXP1.3@23.991,72.444
LCD_RS: EXP1.4 IC1.45 | length 20.6
  Top Layer w0.254: IC1.45@20.81,55.367 20.787,55.39 20.787,56.457 20.196,57.048 17.912,57.048 16.92,58.04 16.92,63.173 23.651,69.904 EXP1.4@23.991,69.904
LED: IC1.26 R13.2 | length 11.3
  Top Layer w0.254: R13.2@30.183,65.692 31.373,64.502 31.373,58.885 30.31,57.822 IC1.26@30.31,55.367
MISO2: IC2.17 ISP2.1 | length 3.5
  Top Layer w0.254: ISP2.1@28.426,20.429 28.426,19.693 28.807,19.312 29.392,19.312 30.048,18.655 IC2.17@30.048,17.947

## Text inside footprints (layer, text, board x,y; h text height)
Z: Mechanical 15 "DIR" at 81.249,44.086 h0.61; Mechanical 15 "STEP" at 81.249,46.626 h0.61; Mechanical 15 "SLP" at 81.249,49.166 h0.61; Mechanical 15 "RST" at 81.249,51.706 h0.61; Mechanical 15 "MS3" at 81.249,54.246 h0.61; Mechanical 15 "MS2" at 81.249,56.786 h0.61; Mechanical 15 "MS1" at 81.249,59.326 h0.61; Mechanical 15 "EN" at 81.249,61.866 h0.61; Mechanical 15 "GND" at 89.284,43.981 h0.61; Mechanical 15 "VDD" at 89.284,46.549 h0.61; Mechanical 15 "1B" at 89.284,49.117 h0.61; Mechanical 15 "1A" at 89.284,51.685 h0.61; Mechanical 15 "2A" at 89.284,54.253 h0.61; Mechanical 15 "2B" at 89.284,56.821 h0.61; Mechanical 15 "GND" at 89.284,59.388 h0.61; Mechanical 15 "Vmot" at 89.284,61.956 h0.61